# KiCad board toomanykeys_right.kicad_pcb
title: toomanykeys_right; date: 2025-06-08; rev: 0.1; company: huntercook
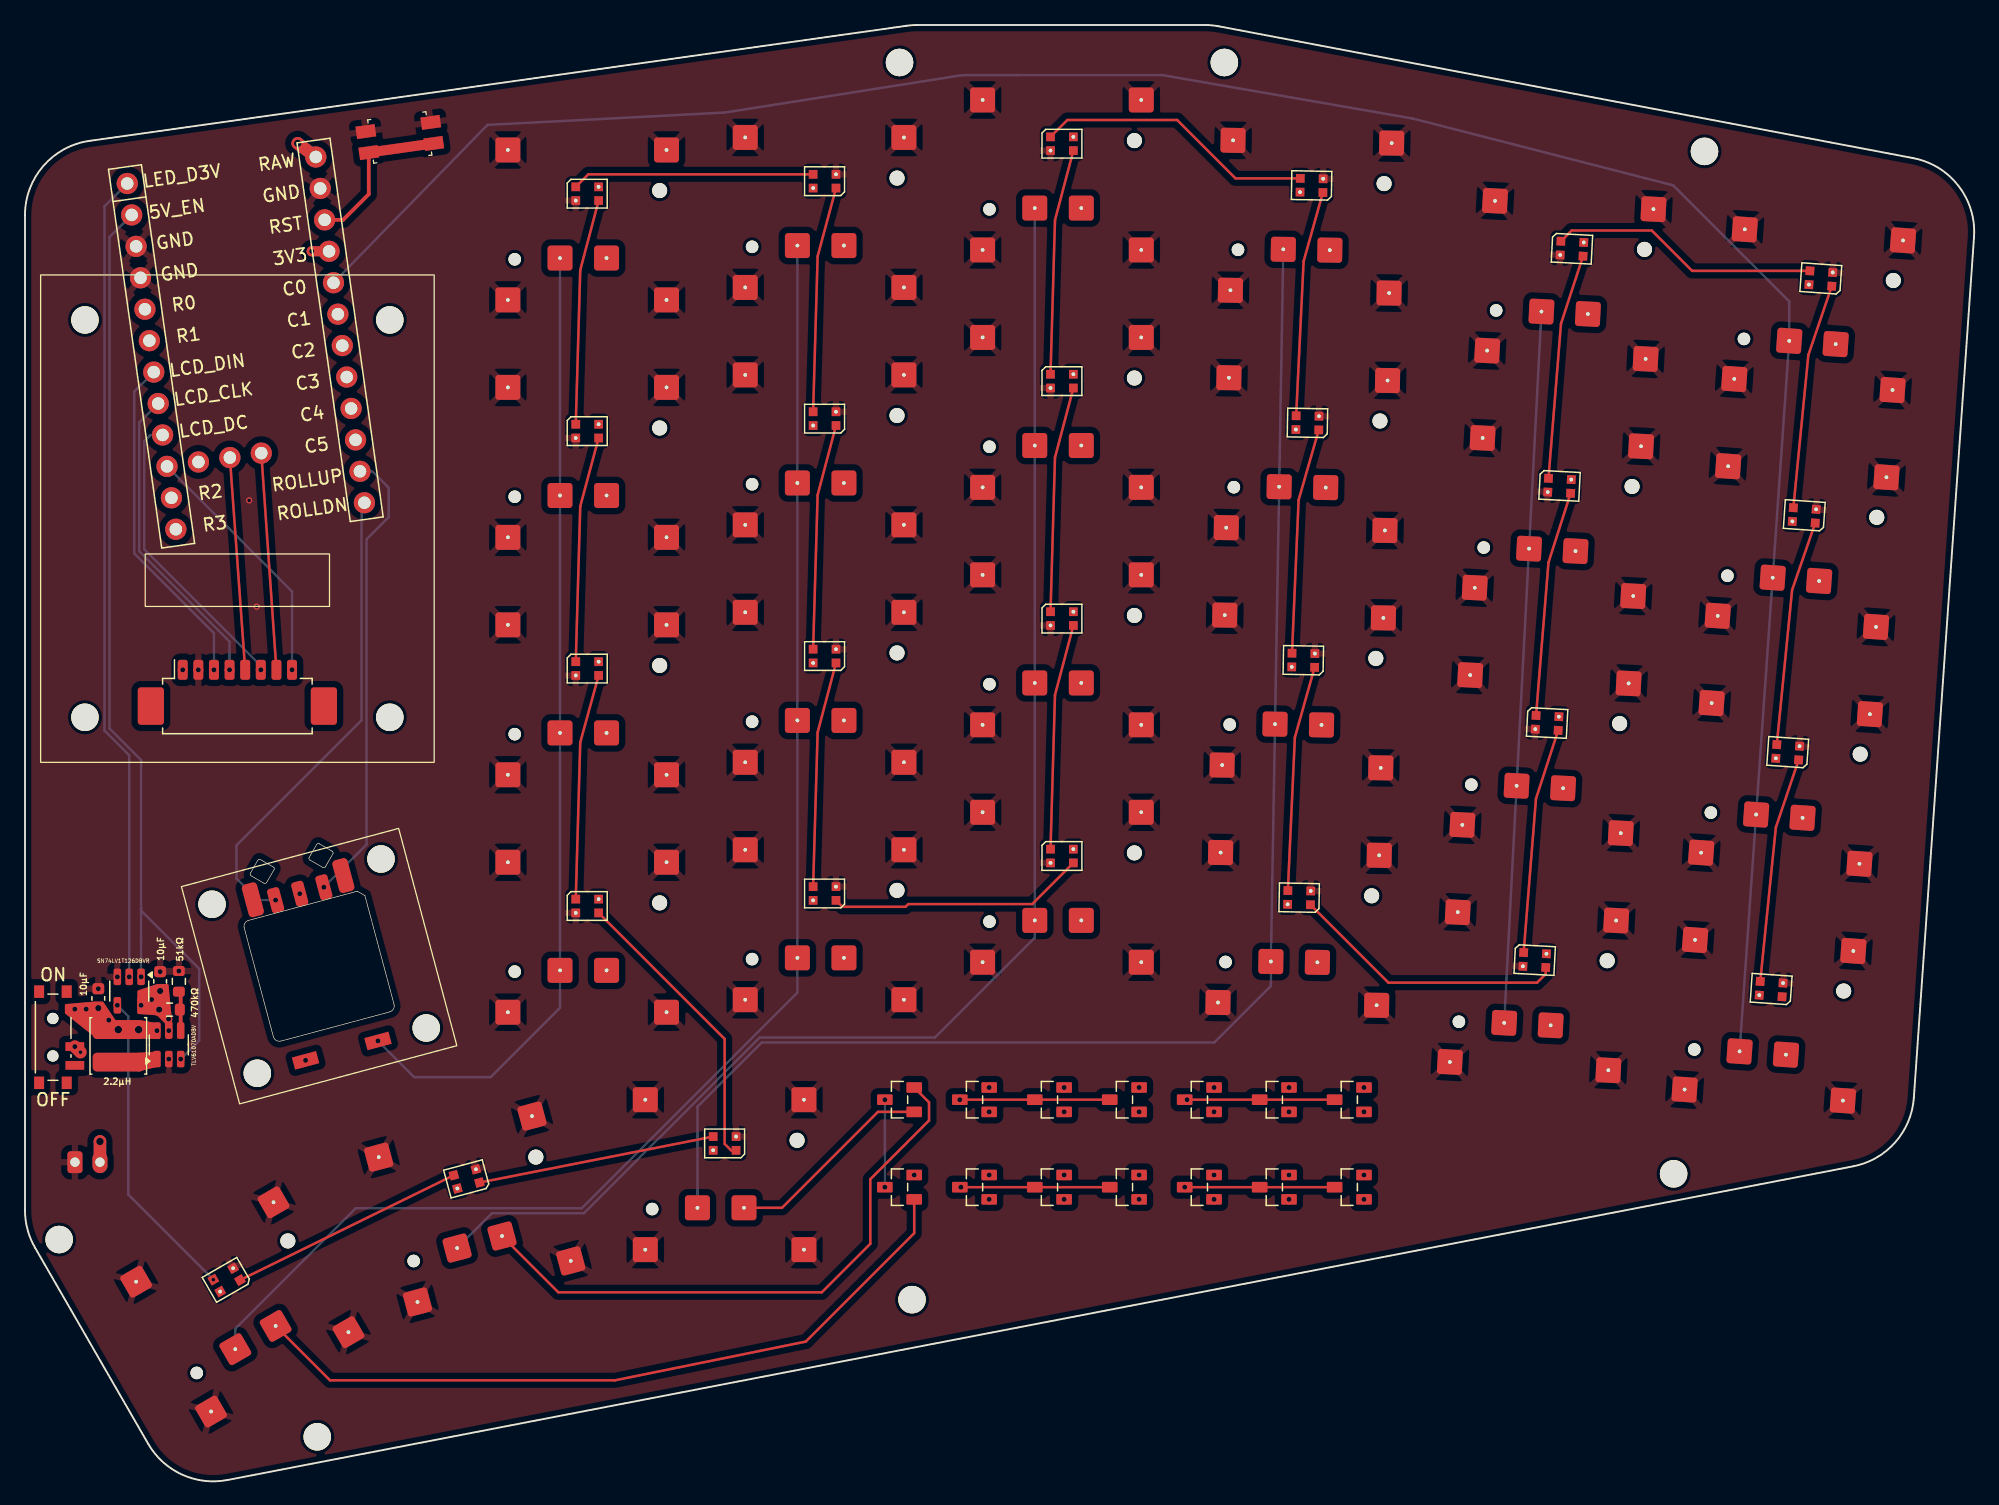
[diagram p0: board, top side]
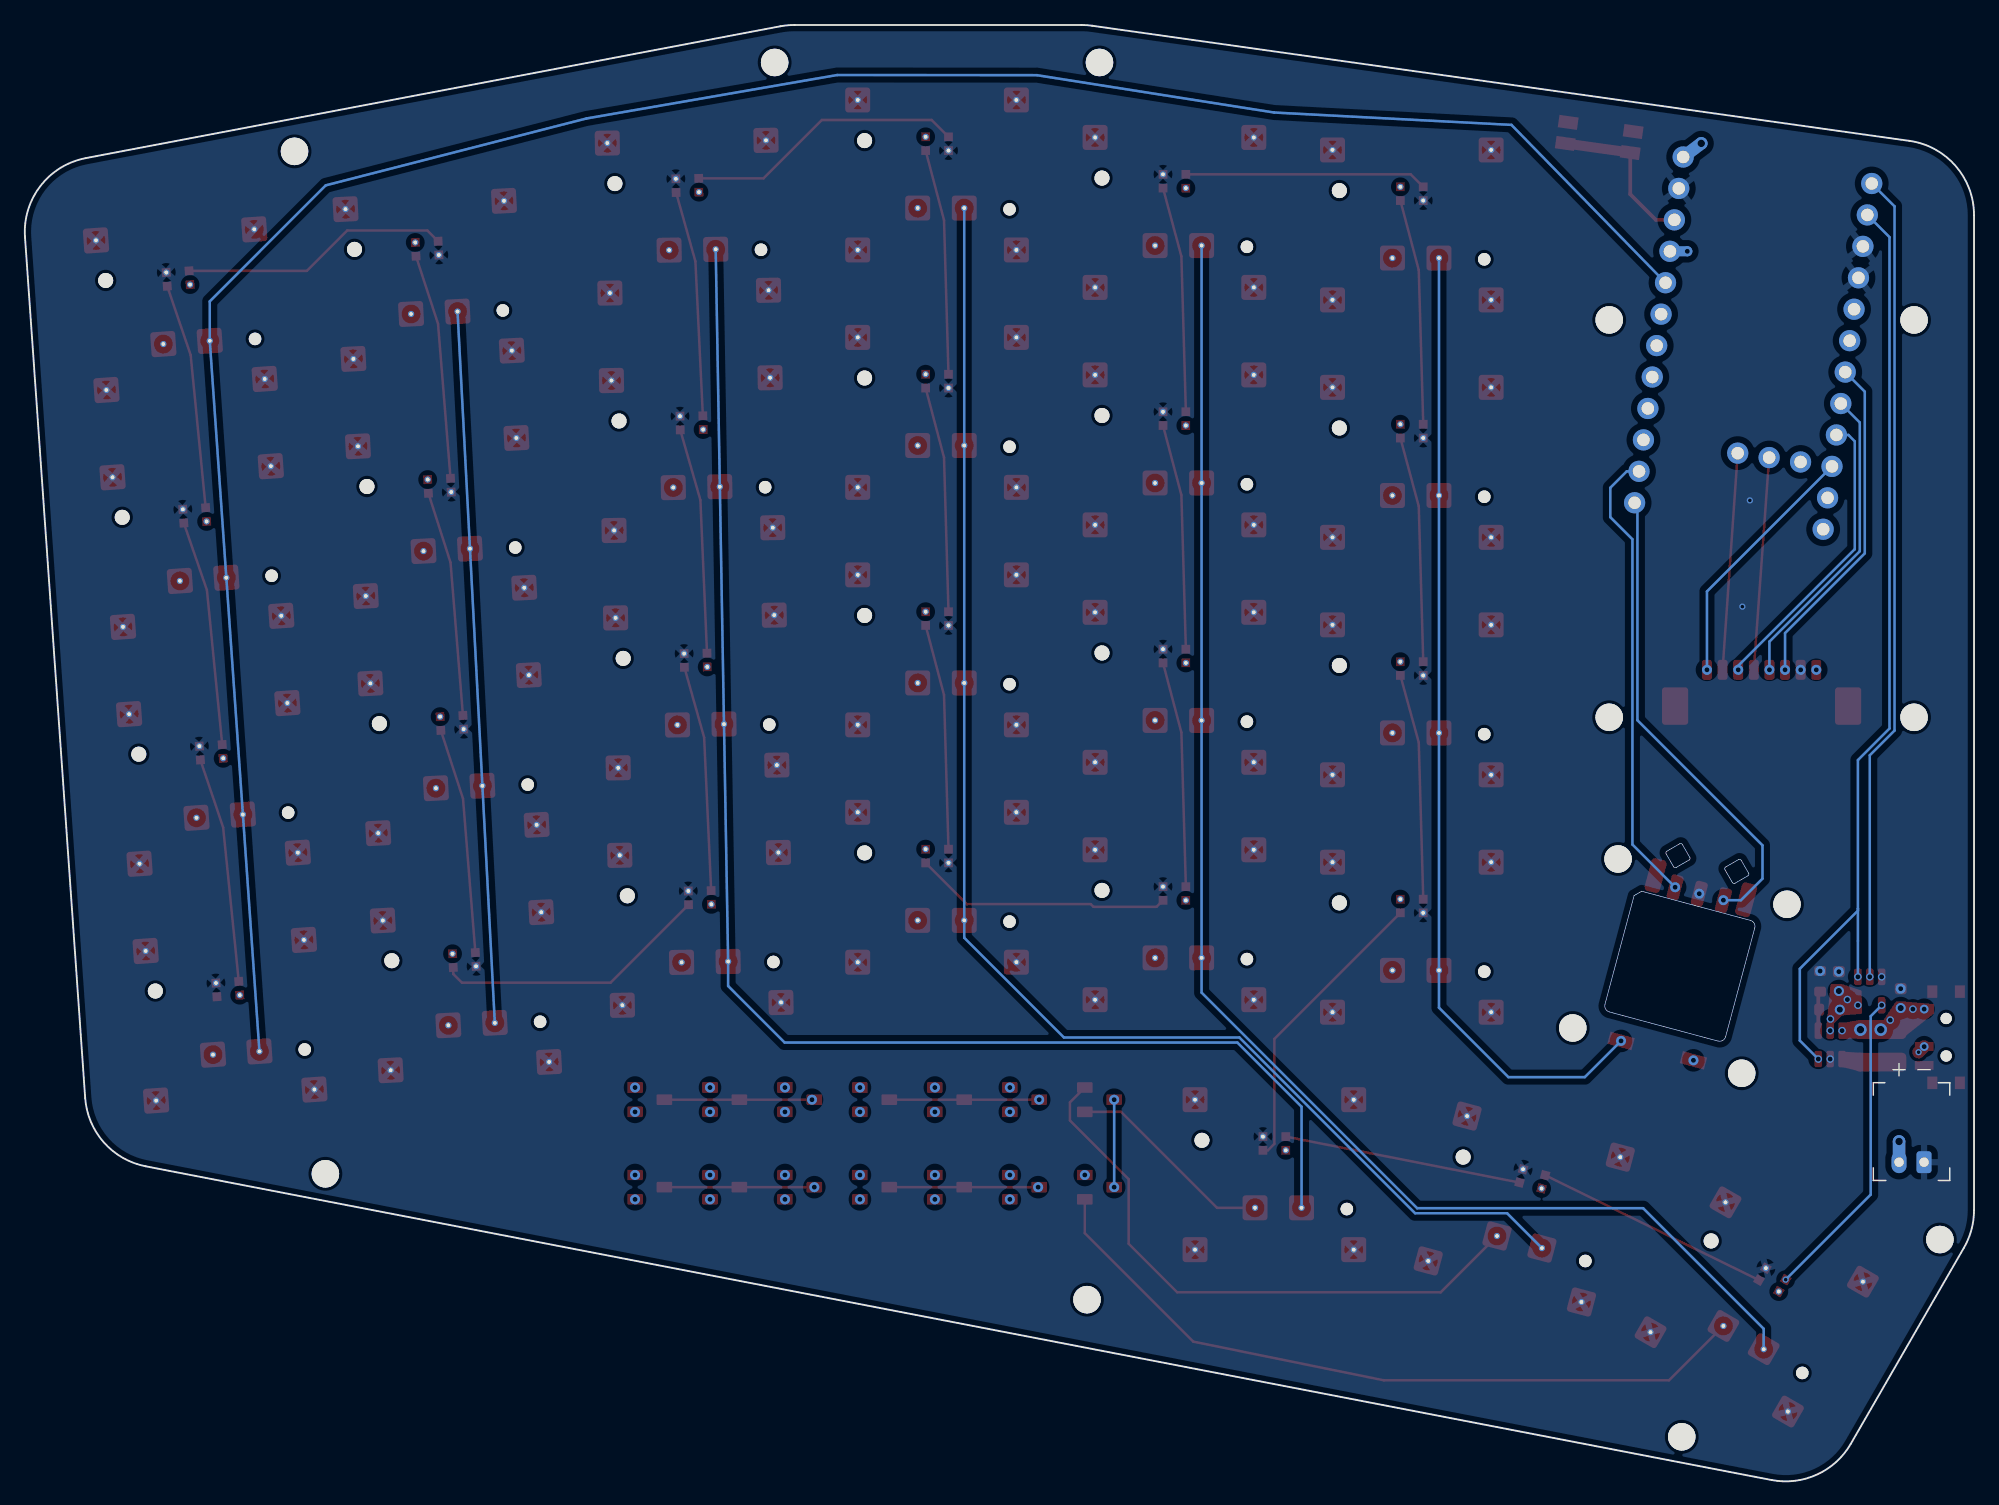
[diagram p1: board, bottom side, seen from below]

Outline 156.02 x 116.54 mm; copper layers: Top, In1.Cu, In2.Cu, In3.Cu, In4.Cu, Bottom. Coordinates in mm from the lower left corner of the outline.
Outline path: 0,101.33 0,21.7 arc(0.2,20.15) 0.8,18.7 9.86,3 arc(12.57,0.54) 16.2,0.11 146.34,25.21 arc(149.69,27.13) 151.19,30.69 156.01,99.57 arc(154.77,103.66) 151.14,105.89 95.55,116.44 arc(95,116.52) 94.44,116.54 71.42,116.54 arc(71,116.53) 70.58,116.48 5.16,107.27 arc(1.47,105.26) 0,101.33
Stack: Top 0.035mm / dielectric 0.1mm FR4 er 4.5 / In1.Cu 0.035mm / dielectric 0.535mm FR4 er 4.5 / In2.Cu 0.035mm / dielectric 0.1mm FR4 er 4.5 / In3.Cu 0.035mm / dielectric 0.535mm FR4 er 4.5 / In4.Cu 0.035mm / dielectric 0.1mm FR4 er 4.5 / Bottom 0.035mm

## Placement (name value [footprint] x y rotation side)
C1  10μF  [C_0603_1608Metric]  5.87 38.65 90 top
C2  10μF  [C_0603_1608Metric]  10.82 40.01 90 top
CONN1  LCD HEADER  [Molex_PicoBlade_53261-0871_1x08-1MP_P1.25mm_Horizontal]  17 62.54 0 top
D1  BAV70  [BAV70 SOT23]  88 30.54 90 top
D2  BAV70  [BAV70 SOT23]  106 30.54 90 top
D3  BAV70  [BAV70 SOT23]  88 23.54 90 top
D4  BAV70  [BAV70 SOT23]  106 23.54 90 top
D5  BAV70  [BAV70 SOT23]  82 30.54 90 top
D6  BAV70  [BAV70 SOT23]  100 30.54 90 top
D7  BAV70  [BAV70 SOT23]  82 23.54 90 top
D8  BAV70  [BAV70 SOT23]  100 23.54 90 top
D9  BAV70  [BAV70 SOT23]  76 30.54 90 top
D10  BAV70  [BAV70 SOT23]  94 30.54 90 top
D11  BAV70  [BAV70 SOT23]  76 23.54 90 top
D12  BAV70  [BAV70 SOT23]  94 23.54 90 top
D13  BAV70  [BAV70 SOT23]  70 30.54 90 top
D14  BAV70  [BAV70 SOT23]  70 23.54 90 top
JST1  Battery Connector  [battery_connector_jst_ph_2]  5 25.54 180 bottom
L1  2.2μH  [L_CJIANG_FTC404030S_4.1x4.1x3.0_SMD]  7.47 34.85 270 top
LCD1  -  [LCD_1.69_Waveshare]  17 77.04 180 top
LED1  Outer Bottom  [LED_WS2812B-2020_PLCC4_2.0x2.0mm]  139.77 39.39 176 top
LED2  WS2812B-2020  [LED_WS2812B-2020_PLCC4_2.0x2.0mm]  141.09 58.35 176 top
LED3  WS2812B-2020  [LED_WS2812B-2020_PLCC4_2.0x2.0mm]  142.42 77.3 176 top
LED4  Outer Top  [LED_WS2812B-2020_PLCC4_2.0x2.0mm]  143.74 96.25 176 top
LED5  WS2812B-2020  [LED_WS2812B-2020_PLCC4_2.0x2.0mm]  101.99 46.71 179 top
LED6  WS2812B-2020  [LED_WS2812B-2020_PLCC4_2.0x2.0mm]  102.32 65.71 179 top
LED7  WS2812B-2020  [LED_WS2812B-2020_PLCC4_2.0x2.0mm]  102.65 84.7 179 top
LED8  WS2812B-2020  [LED_WS2812B-2020_PLCC4_2.0x2.0mm]  102.98 103.7 179 top
LED9  WS2812B-2020  [LED_WS2812B-2020_PLCC4_2.0x2.0mm]  64 47.04 180 top
LED10  WS2812B-2020  [LED_WS2812B-2020_PLCC4_2.0x2.0mm]  64 66.04 180 top
LED11  WS2812B-2020  [LED_WS2812B-2020_PLCC4_2.0x2.0mm]  64 85.04 180 top
LED12  WS2812B-2020  [LED_WS2812B-2020_PLCC4_2.0x2.0mm]  64 104.04 180 top
LED13  WS2812B-2020  [LED_WS2812B-2020_PLCC4_2.0x2.0mm]  56 27.04 180 top
LED14  WS2812B-2020  [LED_WS2812B-2020_PLCC4_2.0x2.0mm]  35.35 24.21 195 top
LED15  Far Thumb  [LED_WS2812B-2020_PLCC4_2.0x2.0mm#2]  16.14 16.12 210 top
LED16  WS2812B-2020  [LED_WS2812B-2020_PLCC4_2.0x2.0mm#3]  120.84 41.72 357 top
LED17  WS2812B-2020  [LED_WS2812B-2020_PLCC4_2.0x2.0mm#3]  121.83 60.69 357 top
LED18  WS2812B-2020  [LED_WS2812B-2020_PLCC4_2.0x2.0mm#3]  122.83 79.67 357 top
LED19  WS2812B-2020  [LED_WS2812B-2020_PLCC4_2.0x2.0mm#3]  123.82 98.64 357 top
LED20  WS2812B-2020  [LED_WS2812B-2020_PLCC4_2.0x2.0mm]  83 50.04 0 top
LED21  WS2812B-2020  [LED_WS2812B-2020_PLCC4_2.0x2.0mm]  83 69.04 0 top
LED22  WS2812B-2020  [LED_WS2812B-2020_PLCC4_2.0x2.0mm]  83 88.04 0 top
LED23  WS2812B-2020  [LED_WS2812B-2020_PLCC4_2.0x2.0mm]  83 107.04 0 top
LED24  Inner Bottom  [LED_WS2812B-2020_PLCC4_2.0x2.0mm]  45 46.04 0 top
LED25  WS2812B-2020  [LED_WS2812B-2020_PLCC4_2.0x2.0mm]  45 65.04 0 top
LED26  WS2812B-2020  [LED_WS2812B-2020_PLCC4_2.0x2.0mm]  45 84.04 0 top
LED27  Inner Top  [LED_WS2812B-2020_PLCC4_2.0x2.0mm]  45 103.04 0 top
MCU1  nice_nano  [mcu_nice_nano]  17.5 92.34 8 top
MH1  -  [mounting_hole_npth]  134.43 106.43 356 top
MH2  -  [mounting_hole_npth]  131.96 24.61 357 top
MH3  -  [mounting_hole_npth]  96 113.54 0 top
MH4  -  [mounting_hole_npth]  70 113.54 0 top
MH5  -  [mounting_hole_npth]  71 14.54 0 top
MH6  -  [mounting_hole_npth]  23.39 3.57 30 top
MH7  -  [mounting_hole_npth]  2.73 19.35 30 top
PWR1  Power SW  [power_switch_smd_side]  2.26 35.54 180 top
R1  470kΩ  [R_0603_1608Metric]  11.57 37.75 0 top
R2  51kΩ  [R_0603_1608Metric]  12.32 40.01 90 top
RE1  -  [CKW12]  23.54 41.23 105 top
RST1  Reset SW  [reset_switch_smd_side]  30 107.54 8 top
S1  -  [PG1316S]  139.59 36.9 356 top
S2  -  [PG1316S]  140.92 55.85 356 top
S3  -  [PG1316S]  142.24 74.81 356 top
S4  -  [PG1316S]  143.57 93.76 356 top
S5  PG1316S  [PG1316S#2]  120.71 39.22 357 top
S6  PG1316S  [PG1316S#2]  121.7 58.2 357 top
S7  PG1316S  [PG1316S#2]  122.7 77.17 357 top
S8  PG1316S  [PG1316S#2]  123.69 96.14 357 top
S9  PG1316S  [PG1316S#5]  101.94 44.21 359 top
S10  PG1316S  [PG1316S#5]  102.28 63.21 359 top
S11  PG1316S  [PG1316S#5]  102.61 82.21 359 top
S12  PG1316S  [PG1316S#5]  102.94 101.2 359 top
S13  PG1316S  [PG1316S#3]  83 47.54 0 top
S14  PG1316S  [PG1316S#3]  83 66.54 0 top
S15  PG1316S  [PG1316S#3]  83 85.54 0 top
S16  PG1316S  [PG1316S#3]  83 104.54 0 top
S17  PG1316S  [PG1316S#3]  64 44.54 0 top
S18  PG1316S  [PG1316S#3]  64 63.54 0 top
S19  PG1316S  [PG1316S#3]  64 82.54 0 top
S20  PG1316S  [PG1316S#3]  64 101.54 0 top
S21  PG1316S  [PG1316S#3]  45 43.54 0 top
S22  PG1316S  [PG1316S#3]  45 62.54 0 top
S23  PG1316S  [PG1316S#3]  45 81.54 0 top
S24  PG1316S  [PG1316S#3]  45 100.54 0 top
S25  PG1316S  [PG1316S#3]  56 24.54 0 top
S26  PG1316S  [PG1316S#6]  36 21.79 15 top
S27  PG1316S  [PG1316S#4]  17.39 13.96 30 top
U1  TLV61070ADBV  [SOT-23-6]  11.51 34.93 90 top
U2  SN74LV1T126DBVR  [SOT-23-5]  8.34 39.24 270 top

## Library data of the parts
C1 C2 = -: Description: Unpolarized capacitor; ki_fp_filters: C_*
CONN1 = -: Description: Generic connector, single row, 01x08, script generated; ki_fp_filters: Connector*:*_1x??_*
D1-D14 = -: Datasheet: https://assets.nexperia.com/documents/data-sheet/BAV70_SER.pdf; Description: Dual 100V 215mA high-speed switching diodes, common cathode, SOT-23; ki_fp_filters: SOT?23*
JST1 = -: Description: Generic connector, single row, 01x02, script generated; ki_fp_filters: Connector*:*_1x??_*
L1 = -: Description: Inductor; ki_fp_filters: Choke_* *Coil* Inductor_* L_*
LED1-LED27 = -: Datasheet: https://cdn-shop.adafruit.com/product-files/4684/4684_WS2812B-2020_V1.3_EN.pdf; Description: RGB LED with integrated controller, 2.0 x 2.0 mm, 12 mA; ki_fp_filters: LED*WS2812*-2020_PLCC4*
MCU1 = -: Datasheet: https://nicekeyboards.com/docs/nice-nano/pinout-schematic; Description: Symbol for an nicekeyboards nice!nano
PWR1 = -: Description: Switch, single pole double throw
R1 R2 = -: Description: Resistor; ki_fp_filters: R_*
RE1 = -: Description: Rotary encoder, dual channel, incremental quadrate outputs, with switch; ki_fp_filters: RotaryEncoder*Switch*
RST1 = -: Description: Push button switch, generic, symbol, four pins
S1-S27 = -: Description: Kailh PG1316S ultra-low-profile keyswitch
U1 = -: Datasheet: https://www.ti.com/lit/ds/symlink/tlv61070a.pdf; Description: Boost Converter, 2.5A switch current limit, 2.2-5.5V Output Voltage, 0.5-5.5V Input Voltage, SOT-23-6; ki_fp_filters: SOT?23*
U2 = -: Datasheet: http://www.ti.com/lit/ds/symlink/sn74lvc1g125.pdf; Description: Single Buffer Gate Tri-State, Low-Voltage CMOS, SOT-23-5; ki_fp_filters: SOT?23*

## Footprints (pads in the part's own frame, mm; a bottom-side part is the same pattern mirrored in y, then rotated)
battery_connector_jst_ph_2
  rrect 1.2x1.75 hole 0.75: 1(1,0)
  oval 1.2x1.75 hole 0.75: 2(-1,0)
BAV70 SOT23
  rrect 0.85x1.25 smd: 1(-0.975,-1.175) 2(0.975,-1.175) 3(0,1.175)
C_0603_1608Metric
  rrect 0.9x0.95 smd: 1(-0.775,0) 2(0.775,0)
CKW12
  round 2.2 hole 2.2 unplated: (-7,7) (-7,-7) (7,7) (7,-7)
  rrect 2.7x1.25 smd: (6.5,-3.75) (6.5,3.75)
  rrect 2x1 smd: A(6,-2) B(6,0) C(6,2)
  rect 1x2 smd: S1(-7,-3) S2(-7,3)
L_CJIANG_FTC404030S_4.1x4.1x3.0_SMD
  rrect 1.5x4.1 smd: 1(-1.3,0) 2(1.3,0)
LCD_1.69_Waveshare
  round 2.2 hole 2.2 unplated: (-12.2,15.9) (-12.2,-15.9) (12.2,15.9) (12.2,-15.9)
LED_WS2812B-2020_PLCC4_2.0x2.0mm
  rect 0.7x0.7 smd: 1(-0.915,0.55) 2(-0.915,-0.55) 3(0.915,-0.55) 4(0.915,0.55)
  round 0.5 hole 0.3: 2(-0.915,-0.55) 4(0.915,0.55)
LED_WS2812B-2020_PLCC4_2.0x2.0mm#2
  rect 0.7x0.7 smd: 1(-0.915,0.55) 2(-0.915,-0.55) 3(0.915,-0.55) 4(0.915,0.55)
  round 0.5 hole 0.3: 2(-0.915,-0.55) 4(0.915,0.55)
LED_WS2812B-2020_PLCC4_2.0x2.0mm#3
  rect 0.7x0.7 smd: 1(-0.915,0.55) 2(-0.915,-0.55) 3(0.915,-0.55) 4(0.915,0.55)
  round 0.5 hole 0.3: 2(-0.915,-0.55) 4(0.915,0.55)
mcu_nice_nano
  round 1.7 hole 1: 1(7.62,12.7) 2(7.62,10.16) 3(7.62,7.62) 4(7.62,5.08) 5(7.62,2.54) 6(7.62,0) 7(7.62,-2.54) 8(7.62,-5.08) 9(7.62,-7.62) 10(7.62,-10.16) 11(7.62,-12.7) 12(7.62,-15.24) 13(-7.62,-15.24) 14(-7.62,-12.7) 15(-7.62,-10.16) 16(-7.62,-7.62) 17(-7.62,-5.08) 18(-7.62,-2.54) 19(-7.62,0) 20(-7.62,2.54) 21(-7.62,5.08) 22(-7.62,7.62) 23(-7.62,10.16) 24(-7.62,12.7) 25(-5.08,-10.16) 26(-2.54,-10.16) 27(0,-10.16)
Molex_PicoBlade_53261-0871_1x08-1MP_P1.25mm_Horizontal
  rrect 0.8x1.6 smd: 1(-4.375,2.4) 2(-3.125,2.4) 3(-1.875,2.4) 4(-0.625,2.4) 5(0.625,2.4) 6(1.875,2.4) 7(3.125,2.4) 8(4.375,2.4)
  rrect 2.1x3 smd: MP(-6.925,-0.5) MP(6.925,-0.5)
mounting_hole_npth
  round 2.2 hole 2.2 unplated: (0,0)
PG1316S
  round 1 hole 1 unplated: (-5.8,-2.75)
  round 1.2 hole 1.2 unplated: (5.8,2.75)
  round 0.5 hole 0.3: 1(-2.175,-2.65) 2(1.55,-2.65) 3(-6.35,6) 3(-6.35,-6) 3(6.35,6) 3(6.35,-6)
  rrect 2x2 smd: 1(-2.175,-2.65) 2(1.55,-2.65) 3(-6.35,6) 3(-6.35,-6) 3(6.35,6) 3(6.35,-6)
PG1316S#2
  round 1 hole 1 unplated: (-5.8,-2.75)
  round 1.2 hole 1.2 unplated: (5.8,2.75)
  round 0.5 hole 0.3: 1(-2.175,-2.65) 2(1.55,-2.65) 3(-6.35,6) 3(-6.35,-6) 3(6.35,6) 3(6.35,-6)
  rrect 2x2 smd: 1(-2.175,-2.65) 2(1.55,-2.65) 3(-6.35,6) 3(-6.35,-6) 3(6.35,6) 3(6.35,-6)
PG1316S#3
  round 1 hole 1 unplated: (-5.8,-2.75)
  round 1.2 hole 1.2 unplated: (5.8,2.75)
  round 0.5 hole 0.3: 1(-2.175,-2.65) 2(1.55,-2.65) 3(-6.35,6) 3(-6.35,-6) 3(6.35,6) 3(6.35,-6)
  rrect 2x2 smd: 1(-2.175,-2.65) 2(1.55,-2.65) 3(-6.35,6) 3(-6.35,-6) 3(6.35,6) 3(6.35,-6)
PG1316S#4
  round 1 hole 1 unplated: (-5.8,-2.75)
  round 1.2 hole 1.2 unplated: (5.8,2.75)
  round 0.5 hole 0.3: 1(-2.175,-2.65) 2(1.55,-2.65) 3(-6.35,6) 3(-6.35,-6) 3(6.35,6) 3(6.35,-6)
  rrect 2x2 smd: 1(-2.175,-2.65) 2(1.55,-2.65) 3(-6.35,6) 3(-6.35,-6) 3(6.35,6) 3(6.35,-6)
PG1316S#5
  round 1 hole 1 unplated: (-5.8,-2.75)
  round 1.2 hole 1.2 unplated: (5.8,2.75)
  round 0.5 hole 0.3: 1(-2.175,-2.65) 2(1.55,-2.65) 3(-6.35,6) 3(-6.35,-6) 3(6.35,6) 3(6.35,-6)
  rrect 2x2 smd: 1(-2.175,-2.65) 2(1.55,-2.65) 3(-6.35,6) 3(-6.35,-6) 3(6.35,6) 3(6.35,-6)
PG1316S#6
  round 1 hole 1 unplated: (-5.8,-2.75)
  round 1.2 hole 1.2 unplated: (5.8,2.75)
  round 0.5 hole 0.3: 1(-2.175,-2.65) 2(1.55,-2.65) 3(-6.35,6) 3(-6.35,-6) 3(6.35,6) 3(6.35,-6)
  rrect 2x2 smd: 1(-2.175,-2.65) 2(1.55,-2.65) 3(-6.35,6) 3(-6.35,-6) 3(6.35,6) 3(6.35,-6)
power_switch_smd_side
  rect 0.8x1 smd: (-1.085,3.65) (-1.085,-3.65) (1.125,3.65) (1.125,-3.65)
  round 0.9 hole 0.9 unplated: (0.025,1.5) (0.025,-1.5)
  rect 1.5x0.7 smd: 1(-1.735,-2.25) 2(-1.735,0.75) 3(-1.735,2.25)
R_0603_1608Metric
  rrect 0.8x0.95 smd: 1(-0.825,0) 2(0.825,0)
reset_switch_smd_side
  rect 1.55x1 smd: 1(2.625,0.85) 2(2.625,-0.85) 3(-2.625,0.85) 4(-2.625,-0.85)
SOT-23-5
  rrect 1.325x0.6 smd: 1(-1.138,0.95) 2(-1.137,0) 3(-1.137,-0.95) 4(1.138,-0.95) 5(1.137,0.95)
SOT-23-6
  rrect 1.325x0.6 smd: 1(-1.138,0.95) 2(-1.137,0) 3(-1.137,-0.95) 4(1.138,-0.95) 5(1.137,0) 6(1.137,0.95)

## Nets
3V3: CONN1.1 MCU1.4
5V: C2.1 LED1.4 LED2.4 LED3.4 LED4.4 LED5.4 LED6.4 LED7.4 LED8.4 LED9.4 LED10.4 LED11.4 LED12.4 LED13.4 LED14.4 LED15.4 LED16.4 LED17.4 LED18.4 LED19.4 LED20.4 LED21.4 LED22.4 LED23.4 LED24.4 LED25.4 LED26.4 LED27.4 R1.1 U1.5 U2.5
5V_EN: MCU1.23 U1.3 U2.1
GND: C1.2 C2.2 CONN1.2 JST1.1 LED1.2 LED2.2 LED3.2 LED4.2 LED5.2 LED6.2 LED7.2 LED8.2 LED9.2 LED10.2 LED11.2 LED12.2 LED13.2 LED14.2 LED15.2 LED16.2 LED17.2 LED18.2 LED19.2 LED20.2 LED21.2 LED22.2 LED23.2 LED24.2 LED25.2 LED26.2 LED27.2 MCU1.2 MCU1.21 MCU1.22 R2.2 RE1.B RST1.1 RST1.3 S1.3 S2.3 S3.3 S4.3 S5.3 S6.3 S7.3 S8.3 S9.3 S10.3 S11.3 S12.3 S13.3 S14.3 S15.3 S16.3 S17.3 S18.3 S19.3 S20.3 S21.3 S22.3 S23.3 S24.3 S25.3 S26.3 S27.3 U1.2 U2.3
/BAT_P: JST1.2 PWR1.2
/far_fan: D14.1 S27.2
/index_bottom: D9.1 S17.2
/index_home: D10.1 S18.2
/index_num: D12.1 S20.2
/index_top: D11.1 S19.2
/inner_bottom: D9.2 S21.2
/inner_home: D10.2 S22.2
/inner_num: D12.2 S24.2
/inner_top: D11.2 S23.2
/LED_1: LED14.3 LED15.1
/LED_2: LED13.3 LED14.1
/LED_3: LED13.1 LED24.3
/LED_4: LED24.1 LED25.3
/LED_5: LED25.1 LED26.3
/LED_6: LED26.1 LED27.3
/LED_7: LED12.3 LED27.1
/LED_8: LED11.3 LED12.1
/LED_9: LED10.3 LED11.1
/LED_10: LED9.3 LED10.1
/LED_11: LED9.1 LED20.3
/LED_12: LED20.1 LED21.3
/LED_13: LED21.1 LED22.3
/LED_14: LED22.1 LED23.3
/LED_15: LED8.3 LED23.1
/LED_16: LED7.3 LED8.1
/LED_17: LED6.3 LED7.1
/LED_18: LED5.3 LED6.1
/LED_19: LED5.1 LED16.3
/LED_20: LED16.1 LED17.3
/LED_21: LED17.1 LED18.3
/LED_22: LED18.1 LED19.3
/LED_23: LED4.3 LED19.1
/LED_24: LED3.3 LED4.1
/LED_25: LED2.3 LED3.1
/LED_26: LED1.3 LED2.1
/LED_27: LED1.1
/LED_D5V: LED15.3 U2.4
/mid_fan: D13.2 S26.2
/middle_bottom: D5.2 S13.2
/middle_home: D6.2 S14.2
/middle_num: D8.2 S16.2
/middle_top: D7.2 S15.2
/near_fan: D13.1 S25.2
/outer_bottom: D1.1 S1.2
/outer_home: D2.1 S2.2
/outer_num: D4.1 S4.2
/outer_top: D3.1 S3.2
/pinky_bottom: D1.2 S5.2
/pinky_home: D2.2 S6.2
/pinky_num: D4.2 S8.2
/pinky_top: D3.2 S7.2
/ring_bottom: D5.1 S9.2
/ring_home: D6.1 S10.2
/ring_num: D8.1 S12.2
/ring_top: D7.1 S11.2
/roller: D14.2 RE1.S2
/RST: MCU1.3 RST1.2 RST1.4
BOOST_FB: R1.2 R2.1 U1.4
BOOST_SW: L1.2 U1.1
C0: MCU1.5 S1.1 S2.1 S3.1 S4.1
C1: MCU1.6 S5.1 S6.1 S7.1 S8.1
C2: MCU1.7 S9.1 S10.1 S11.1 S12.1 S25.1
C3: MCU1.8 S13.1 S14.1 S15.1 S16.1 S26.1
C4: MCU1.9 S17.1 S18.1 S19.1 S20.1 S27.1
C5: MCU1.10 RE1.S1 S21.1 S22.1 S23.1 S24.1
LCD_BL: CONN1.8 MCU1.15
LCD_CLK: CONN1.4 MCU1.17
LCD_CS: CONN1.5 MCU1.26
LCD_DC: CONN1.6 MCU1.16
LCD_DIN: CONN1.3 MCU1.18
LCD_RST: CONN1.7 MCU1.27
LED_D3V: MCU1.24 U2.2
R0: D4.3 D8.3 D12.3 MCU1.20
R1: D3.3 D7.3 D11.3 MCU1.19
R2: D2.3 D6.3 D10.3 MCU1.14
R3: D1.3 D5.3 D9.3 MCU1.13
R4: D13.3 D14.3 MCU1.25
RAW: C1.1 L1.1 MCU1.1 PWR1.1 U1.6
ROLLDN: MCU1.12 RE1.C
ROLLUP: MCU1.11 RE1.A

Pads without a net: CONN1 MP; PWR1 3

## Via types
v1: diameter 1, hole 0.6, Top to Bottom, 4 vias
v2: diameter 0.6, hole 0.4, Top to Bottom, 13 vias
v3: diameter 0.7, hole 0.4, Top to Bottom, 2 vias
v4: diameter 0.8, hole 0.5, Top to Bottom, 3 vias
v5: diameter 0.8, hole 0.4, Top to Bottom, 46 vias
v6: diameter 0.5, hole 0.3, Top to Bottom, 4 vias

## Routing (per net, layer and track width the routed paths; a pad name or vN(x,y) marks a point on that pad's centre or on a via; arc(x,y) is an arc through that point)
3V3: length 81.1
  Top w0.8: v5(22.95,98.43) MCU1.4
  In2.Cu w0.8: MCU1.4 v5(22.95,98.43) 21.99,97.48 21.99,79.08 12.63,69.71 v5(12.63,64.94)
  In3.Cu w0.8: v5(12.63,64.94) 12.63,69.71 21.98,79.07 21.98,97.47 v5(22.95,98.43) MCU1.4
  Bottom w0.8: v5(22.95,98.43) MCU1.4
5V: length 6
  Top w0.3: v4(10.82,39.24) v2(10.14,38.56) 9.68,38.1 v2(9.29,38.1)
  In2.Cu w1: 11.56,36.07 11.56,36.93 v2(11.49,37) v4(10.74,37.75)
  In3.Cu w1: v4(10.74,37.75) 11.56,36.93 11.56,36.07
  vias: v2(11.51,36.07)
5V_EN: length 77.3
  Bottom w0.2: 9.29,45.84 9.29,45.67 13.94,41.02 13.94,35.27 v2(12.46,33.79) ; 9.29,45.84 9.29,57.72 6.76,60.25 6.76,99.56 MCU1.23 ; 9.29,45.84 v2(9.29,40.37)
GND:
  vias: v2(7.39,40.37) v2(11.51,33.79) v5(5.87,39.42) v5(10.82,40.79) v5(12.32,40.84) v5(13.88,64.94) v5(21.99,47.03) v6(17.94,78.5) v6(18.54,70)
/BAT_P: length 24.1
  Top w1: v3(3.99,34.79) v6(4.44,34.34) ; v1(6,27.2) JST1.2
  In2.Cu w1: JST1.2 v1(6,27.2) 6,32.78 v6(4.44,34.34) v3(3.99,34.79)
  In3.Cu w1: JST1.2 6,32.78 v6(4.44,34.34) v3(3.99,34.79)
  Bottom w1: v1(6,27.2) JST1.2
/far_fan: length 59.5
  Top w0.2: D14.1 71.18,19.86 62.5,11.19 47.23,8.09 24.41,8.09 S27.2
/index_bottom: length 16.9
  In2.Cu w0.2: S17.2 v5(77.18,29.57)
/index_home: length 177.9
  In3.Cu w0.2: S18.2 67.04,60.89 77.72,71.58 92.01,71.58 95.5,68.09 110.12,68.09 115.36,62.85 129.11,62.85 130.68,61.28 146.29,61.28 149.82,57.75 147.99,31.49 144.11,28.12 130.44,29.08 126.26,25.44 126.16,25.45 99.3,25.45 v5(95.17,29.57)
/index_num: length 224
  In3.Cu w0.2: S20.2 67.04,98.89 77.24,109.1 77.48,109.33 92.34,109.33 100.84,100.83 130.64,100.83 132.34,99.13 138.54,99.13 149.24,99.13 154.44,93.93 154.74,93.63 150.32,30.33 144.94,25.65 131.27,26.61 126.15,22.16 102.51,17.6 v5(95.17,22.57)
/index_top: length 222.6
  In2.Cu w0.2: v5(77.17,22.57) 88.49,14.9 102.52,17.61 126.15,22.16 131.27,26.61 144.94,25.66 150.32,30.33 153.4,74.43 147.68,80.16 131.88,80.16 130.18,81.86 115.08,81.86 109.78,87.16 93.48,87.16 90.28,90.36 77.68,90.36 67.21,79.89 S19.2
/inner_bottom: length 40.2
  In2.Cu w0.2: S21.2 50.18,44.52 68.8,44.52 77.17,36.15 v5(77.17,31.52)
/inner_home: length 193.5
  In3.Cu w0.2: S22.2 66.61,59.89 77.89,71.17 87.99,71.17 91.85,71.17 95.34,67.68 109.96,67.68 115.2,62.44 128.95,62.44 130.52,60.87 146.13,60.87 149.41,57.59 148.63,46.42 148.29,41.61 147.95,36.75 138.91,28.89 130.31,29.49 126.12,25.85 100.84,25.85 v5(95.17,31.52)
/inner_num: length 242.3
  In3.Cu w0.2: S24.2 66.61,97.89 67.14,98.43 77.64,108.93 78.74,108.93 92.18,108.93 100.68,100.43 106.04,100.43 130.48,100.43 132.18,98.73 148.64,98.73 149.08,98.73 154.33,93.47 153.01,74.55 150.92,44.63 149.93,30.56 149.93,30.53 144.8,26.07 131.13,27.02 125.96,22.53 104.28,18.35 v5(95.17,24.52)
/inner_top: length 240.9
  In2.Cu w0.2: S23.2 66.78,78.89 77.84,89.95 83.78,89.95 90.11,89.95 93.31,86.75 109.61,86.75 114.91,81.45 130.01,81.45 131.71,79.75 147.51,79.75 152.99,74.28 152.99,74.27 152.58,68.44 152.06,61.02 149.93,30.52 147.26,28.21 144.8,26.07 133.64,26.84 131.77,26.97 131.13,27.02 125.96,22.53 104.28,18.35 102.86,18.08 90.26,15.65 v5(77.17,24.52)
/LED_1: length 19.1
  Top w0.2: LED15.1 LED14.3
/LED_2: length 19.1
  Top w0.2: LED14.1 LED13.3
/LED_3: length 23.8
  Top w0.2: LED24.3 56,35.41 56,27.01 56.52,26.49 LED13.1
/LED_4: length 18.1
  Top w0.2: LED25.3 44.44,59.13 LED24.1
/LED_5: length 18.1
  Top w0.2: LED26.3 44.44,78.03 LED25.1
/LED_6: length 18.1
  Top w0.2: LED26.1 44.44,96.93 LED27.3
/LED_7: length 19.4
  Top w0.2: LED12.3 45.08,104.59 LED27.1
/LED_8: length 18.1
  Top w0.2: LED12.1 63.44,98.03 LED11.3
/LED_9: length 18.1
  Top w0.2: LED11.1 63.44,78.93 LED10.3
/LED_10: length 18.1
  Top w0.2: LED9.3 63.44,59.93 LED10.1
/LED_11: length 20.7
  Top w0.2: LED20.3 80.62,46.19 70.7,46.19 70.48,45.98 65.43,45.98 LED9.1
/LED_12: length 18.1
  Top w0.2: LED20.1 82.44,62.93 LED21.3
/LED_13: length 18.1
  Top w0.2: LED22.3 82.44,81.93 LED21.1
/LED_14: length 18.1
  Top w0.2: LED23.3 82.44,100.93 LED22.1
/LED_15: length 22.5
  Top w0.2: LED23.1 83.43,108.94 92.22,108.94 96.89,104.27 LED8.3
/LED_16: length 18.1
  Top w0.2: LED8.1 102.34,97.63 LED7.3
/LED_17: length 18.1
  Top w0.2: LED7.1 101.94,78.53 LED6.3
/LED_18: length 18.1
  Top w0.2: LED6.1 101.64,59.53 LED5.3
/LED_19: length 22.2
  Top w0.2: LED16.3 121.73,40.6 121.03,39.91 109.13,39.91 LED5.1
/LED_20: length 18.1
  Top w0.2: LED17.3 120.94,54.63 LED16.1
/LED_21: length 18.1
  Top w0.2: LED18.3 121.94,73.53 LED17.1
/LED_22: length 18.1
  Top w0.2: LED18.1 122.94,92.63 LED19.3
/LED_23: length 21.6
  Top w0.2: LED19.1 123.8,100.1 130.21,100.1 133.44,96.87 LED4.3
/LED_24: length 18.1
  Top w0.2: LED3.3 142.74,90.13 LED4.1
/LED_25: length 18.1
  Top w0.2: LED3.1 141.44,71.33 LED2.3
/LED_26: length 18.1
  Top w0.2: LED1.3 140.14,52.33 LED2.1
/LED_D5V: length 25.1
  Bottom w0.2: v2(7.39,38.1) 8.27,37.22 8.27,22.95 v6(15.08,16.14)
/mid_fan: length 47.9
  Top w0.2: S26.2 42.69,15.13 63.77,15.13 67.66,19.02 67.66,24.18 72.36,28.88 72.36,30.33 D13.2
/middle_bottom: length 13.4
  In2.Cu w0.2: S13.2 v5(83.17,31.52)
/middle_home: length 135.3
  In3.Cu w0.2: v5(101.17,31.52) 106.04,26.65 125.82,26.65 130.03,30.31 138.64,29.71 138.92,29.96 147.18,37.13 147.84,46.7 148.17,51.4 144.84,54.73 132.77,54.73 125.8,54.73 124.14,56.39 117.82,56.39 114.65,59.56 88.89,59.56 S14.2
/middle_num: length 184.7
  In3.Cu w0.2: S16.2 89.23,97.21 118.14,97.21 119.27,96.09 127.87,96.09 131.35,92.61 148.74,92.61 153.16,88.2 153.02,86.26 149.15,30.91 144.52,26.89 143.22,26.98 130.86,27.84 125.6,23.28 108.01,19.89 v5(101.18,24.52)
/middle_top: length 185
  In2.Cu w0.2: v5(83.18,24.52) 94,17.19 108.01,19.89 108.01,19.89 125.61,23.28 130.86,27.84 132.56,27.72 144.52,26.89 149.15,30.91 151.64,66.49 151.98,71.33 149.57,73.74 131.11,73.74 127.68,77.17 116.9,77.17 115.53,78.55 88.51,78.55 84.55,82.5 S15.2
/near_fan: length 16.8
  Top w0.2: D13.1 68.27,29.57 60.6,21.89 S25.2
/outer_bottom: length 56.7
  In2.Cu w0.2: S1.2 139.41,32.6 129.16,32.6 122.44,25.88 92.86,25.88 v5(89.18,29.57)
/outer_home: length 44.9
  In3.Cu w0.2: S2.2 118.75,29.57 v5(107.18,29.57)
/outer_num: length 108.7
  In3.Cu w0.2: S4.2 144.93,89.22 152.31,81.84 149.89,47.24 148.76,31.11 144.39,27.3 130.72,28.26 125.42,23.65 109.97,20.67 v5(107.17,22.57)
/outer_top: length 108.8
  In2.Cu w0.2: v5(89.18,22.57) 95.96,17.98 108.24,20.34 109.96,20.67 125.42,23.65 130.71,28.25 132.87,28.1 137.27,27.8 144.38,27.3 148.76,31.1 149.77,45.54 151.04,63.61 143.61,71.04 S3.2
/pinky_bottom: length 35
  In2.Cu w0.2: S5.2 120.42,34.8 92.46,34.8 v5(89.18,31.52)
/pinky_home: length 30.6
  In3.Cu w0.2: S6.2 123.11,47.45 v5(107.18,31.52)
/pinky_num: length 129.8
  In3.Cu w0.2: v5(107.17,24.52) 111.74,21.42 125.24,24.02 130.58,28.67 144.25,27.71 148.38,31.3 151.9,81.66 151.9,81.69 148.08,85.51 129.34,85.51 125.1,89.75 S8.2
/pinky_top: length 129.6
  In2.Cu w0.2: v5(89.18,24.52) 97.73,18.73 111.73,21.42 125.24,24.02 130.57,28.67 133.48,28.46 140.41,27.98 144.25,27.71 148.37,31.29 150.62,63.45 147.97,66.11 129.61,66.11 124.11,71.6 S7.2
/ring_bottom: length 25.2
  In2.Cu w0.2: v5(83.17,29.57) 88.86,35.25 97.16,35.25 S9.2
/ring_home: length 118
  In3.Cu w0.2: S10.2 105.29,62.04 128.78,62.04 130.35,60.47 142.31,60.47 148.74,54.04 148.74,53.82 148.27,47.04 147.56,36.94 138.77,29.3 135.32,29.54 130.17,29.9 125.97,26.25 104.49,26.25 v5(101.18,29.57)
/ring_num: length 168.7
  In3.Cu w0.2: v5(101.18,22.57) 106.24,19.14 125.78,22.9 130.99,27.43 144.66,26.48 149.54,30.72 151.4,57.31 152.67,75.44 152.98,79.83 153.92,93.32 148.91,98.33 145.84,98.33 132.01,98.33 130.31,100.03 105.94,100.03 S12.2
/ring_top: length 165.9
  In2.Cu w0.2: S11.2 105.64,81.05 129.84,81.05 131.54,79.35 144.52,79.35 152.39,71.48 149.74,33.63 149.54,30.71 144.66,26.48 135.83,27.09 133.38,27.26 132.09,27.35 130.99,27.43 125.79,22.9 106.25,19.14 106.02,19.09 106.01,19.09 103.52,18.61 103.52,18.61 92.22,16.44 v5(83.18,22.57)
/roller: length 52.5
  In2.Cu w0.2: v5(22.46,33.69) 31.12,33.69 40.29,24.52 v5(71.18,24.52)
/RST: length 13
  Top w0.3: RST1.4 27.52,103 25.46,100.95 MCU1.3
  Top w0.8: RST1.4 RST1.2
BOOST_FB: length 3.2
  Top w0.3: U1.4 12.46,39.04 R2.1
C0: length 187.1
  Bottom w0.2: S1.1 S2.1 S3.1 S4.1 141.21,94.43 131.93,103.71 111.07,109.06 90.99,112.54 75.01,112.53 56.01,109.54 37.02,108.55 MCU1.5
C1: length 155.3
  In3.Cu w0.2: MCU1.6 26.38,94.74 30.55,94.74 32.83,92.46 120.23,92.46 S8.1
  Bottom w0.2: S5.1 S6.1 S7.1 S8.1
C2: length 196.6
  In3.Cu w0.2: S11.1 93.21,86.77 33.73,86.77 29.61,90.89 MCU1.7
  Bottom w0.2: S12.1 S11.1 S10.1 S9.1 99.72,39.64 95.2,35.12 58.97,35.12 53.83,29.98 S25.1
C3: length 172.3
  In3.Cu w0.2: S15.1 77.35,86.37 33.56,86.37 31.56,88.37 MCU1.8
  Bottom w0.2: S26.1 37.37,21.46 44.74,21.46 58.8,35.52 72.84,35.52 80.82,43.5 S13.1 S14.1 S15.1 S16.1
C4: length 155.8
  In3.Cu w0.2: MCU1.9 26.22,85.97 55.75,85.97 S19.1
  Bottom w0.2: S20.1 S19.1 S18.1 S17.1 61.83,39.11 44.57,21.86 26.48,21.86 16.83,12.21 S27.1
C5: length 96.3
  In3.Cu w0.2: S23.1 38.38,83.34 MCU1.10
  Bottom w0.2: v5(28.25,35.25) 31.15,32.35 37.27,32.35 42.83,37.9 S21.1 S22.1 S23.1 S24.1
LCD_BL: length 20.4
  Bottom w0.2: MCU1.15 21.38,71.21 v5(21.37,64.94)
LCD_CLK: length 24.9
  Bottom w0.2: v5(16.38,64.94) 16.38,67.2 9.14,74.43 9.14,84.73 MCU1.17
LCD_CS: length 17
  Top w0.2: MCU1.26 CONN1.5
LCD_DC: length 23.8
  Bottom w0.2: v5(18.88,64.94) 18.88,65.26 9.54,74.6 9.54,83.23 10.05,83.74 MCU1.16
LCD_DIN: length 27.1
  Bottom w0.2: MCU1.18 8.74,87.2 8.74,74.26 15.13,67.88 v5(15.13,64.94)
LCD_RST: length 17.4
  Top w0.2: CONN1.7 MCU1.27
LED_D3V: length 65.1
  Bottom w0.2: MCU1.24 6.36,102.03 6.36,60.08 8.34,58.1 v2(8.34,40.37)
R0: length 155.7
  Top w0.2: v5(92.82,23.54) D4.3
  In3.Cu w0.2: v5(92.82,23.54) 89.15,27.22 68.56,27.22 63.62,32.16 39.81,32.16 36.24,35.73 36.24,51.3 30.17,57.37 10.18,57.37 8.05,59.5 8.05,92.25 MCU1.20
R1: length 136.1
  Top w0.2: D11.3 v5(74.91,23.54) D3.3
  In2.Cu w0.2: MCU1.19 7.65,88.98 7.65,59.34 10.02,56.97 30.01,56.97 35.84,51.14 35.84,35.56 39.64,31.76 63.45,31.76 69.99,25.22 73.24,25.22 v5(74.91,23.54)
R2: length 140.6
  Top w0.2: D10.3 v5(93.01,30.54) D2.3
  In3.Cu w0.2: MCU1.14 8.45,75.44 8.45,59.66 10.35,57.77 30.34,57.77 36.64,51.46 36.64,35.89 39.98,32.56 63.79,32.56 68.73,27.62 90.09,27.62 v5(93.01,30.54)
R3: length 121
  Top w0.2: v5(74.83,30.54) D1.3
  In2.Cu w0.2: MCU1.13 8.05,72.17 8.05,59.5 10.19,57.37 30.18,57.37 36.24,51.3 36.24,35.72 39.8,32.16 63.62,32.16 68.56,27.22 71.5,27.22 v5(74.83,30.54)
R4: length 112.7
  In2.Cu w0.2: v5(68.83,30.54) 66.81,32.56 39.97,32.56 36.64,35.89 36.64,51.47 30.34,57.77 10.35,57.77 8.45,59.67 8.45,69.19 13.88,74.62 MCU1.25
  Bottom w0.2: v5(68.83,30.54) v5(68.83,23.54)
RAW: length 204.5
  Top w0.3: v2(10.56,36.07) 10.22,36.07 10.14,36.15 v1(9.09,36.15) v1(7.47,36.15) v2(6.71,36.91) 5.87,37.75 v4(5.87,37.87) 4.07,37.87 v3(3.99,37.79)
  Top w1: v1(21.83,107.07) MCU1.1
  In2.Cu w1: 10.36,36.07 10.28,36.15 v1(7.47,36.15) 5.83,37.79 v2(4.89,37.79) v3(3.99,37.79) 3.99,40.8 1.19,43.6 1.19,44.8 1.19,101.2 6.19,106.2 20.35,108.19 MCU1.1
  In3.Cu w1: 10.36,36.07 10.28,36.15 v1(7.47,36.15) 5.83,37.79 v3(3.99,37.79) 3.99,40.8 1.19,43.6 1.19,44 1.13,44.06 1.13,101.13 6.19,106.2 20.35,108.19 v1(21.83,107.07) MCU1.1
  Bottom w1: v1(21.83,107.07) MCU1.1
ROLLDN: length 38.2
  Bottom w0.2: v5(20.06,46.51) 18.65,46.51 16.93,48.23 16.93,50.9 26.94,60.91 26.94,78.09 MCU1.12
ROLLUP: length 37
  Bottom w0.2: MCU1.11 27.79,80.83 29.11,79.51 29.11,77.16 27.34,75.39 27.34,50.96 v5(23.92,47.54)

## Copper pours and planes (outline as drawn; the poured copper is in the pictures)
5V on Top (solid shape): 11.39,36.6 10.6,37.39 9.09,37.5 9.09,39.2 10.59,39.7 11.39,39.7 11.69,36.6
5V on In2.Cu: 171.03,122.44 171.03,-12.56 -18.97,-12.56 -18.97,122.44
5V on In3.Cu: -18.97,122.44 -18.97,-12.56 171.03,-12.56 171.03,122.44
GND on Top: 171.03,-12.56 171.03,122.44 -18.97,122.44 -18.97,-12.56
GND on Bottom: 171.03,122.44 171.03,-12.56 -18.97,-12.56 -18.97,122.44
GND on In1.Cu: -18.97,-12.56 -18.97,122.44 171.03,122.44 171.03,-12.56
GND on In4.Cu: -18.97,122.44 -18.97,-12.56 171.03,-12.56 171.03,122.44
BOOST_SW on Top (solid shape): 10.69,34.3 9.09,34.2 9.09,32.9 10.69,33.3
RAW on Top (solid shape): 10.69,35.5 5.69,35.6 3.29,37.5 3.29,38.1 5.59,38.3 6.19,38.3 7.19,36.8 9.29,36.8 10.39,36.6 10.69,36.6
RAW on In2.Cu (solid shape): 10.76,35.55 5.67,35.65 3.27,37.55 3.27,38.15 5.57,38.35 6.17,38.35 7.17,36.85 9.27,36.85 10.37,36.65 10.7,36.59
RAW on In3.Cu (solid shape): 10.77,35.52 5.67,35.62 3.27,37.52 3.27,38.12 5.57,38.32 6.17,38.32 7.17,36.82 9.27,36.82 10.37,36.62 10.74,36.57
